# Altium PCB UmTRXv2.PcbDoc (part 25 of 25)
Units mm, origin at the board's own origin, x right, y up, seen from the top; angles counter-clockwise.
Board outline 159.5 x 99.5 mm, 6 copper layers (Top Layer, GND, MidLayer1, Mid-Layer 2, InternalPlane2, Bottom Layer), stack 1.526 mm thick; 708 components, 578 nets, 2802 pads, 1408 vias.
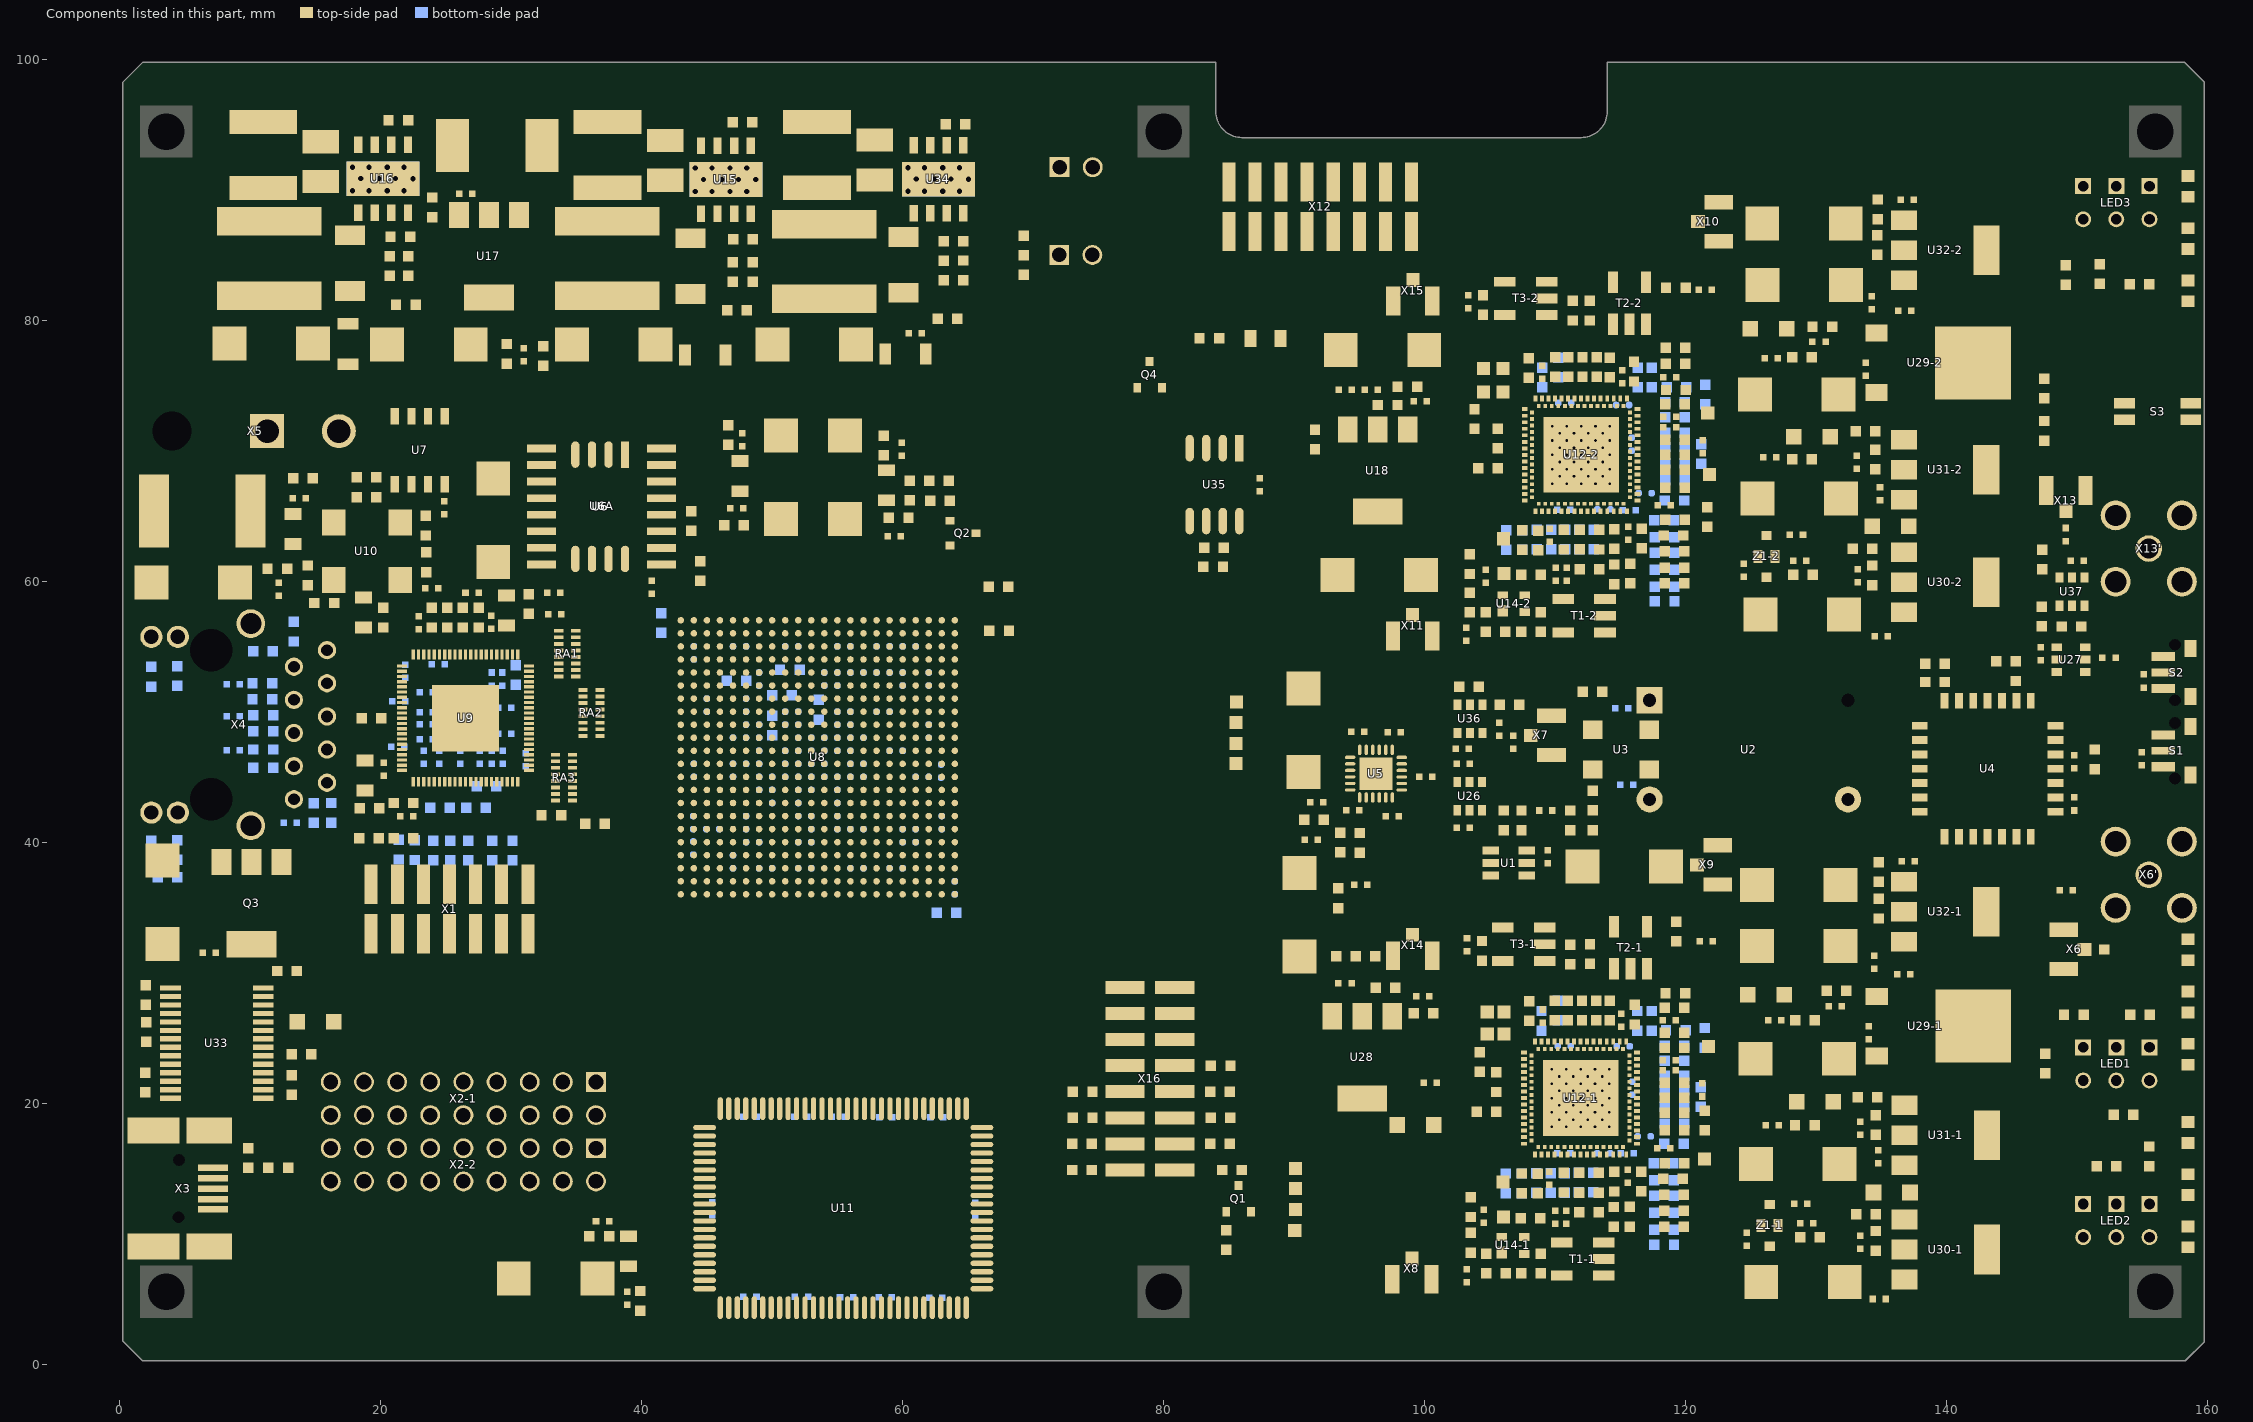
[diagram p29: the components of this part, seen from the top]

## Polygon pours and split planes (outlines as drawn) (continued)
+1,2VFPGA on InternalPlane2 (split plane): 54.399,66.887 54.399,56.713 53.943,56.257 53.919,56.226 53.904,56.189 53.899,56.15 53.899,55.3 53.904,55.261 53.919,55.224 53.943,55.193 55.949,53.187 55.949,51.913 54.993,50.957 54.969,50.926 54.954,50.889 54.949,50.85 54.949,50.2 54.954,50.161 54.969,50.124 54.993,50.093 55.143,49.943 55.174,49.919 55.211,49.904 55.25,49.899 57.637,49.899 57.849,49.687 57.849,48.363 57.637,48.151 57.35,48.151 57.311,48.146 57.274,48.131 57.243,48.107 56.893,47.757 56.869,47.726 56.854,47.689 56.849,47.65 56.849,43.813 55.837,42.801 51.738,42.801 49.951,44.588 49.951,48.587 51.263,49.899 52.85,49.899 52.889,49.904 52.926,49.919 52.957,49.943 53.257,50.243 53.281,50.274 53.296,50.311 53.301,50.35 53.301,51.287 54.107,52.093 54.131,52.124 54.146,52.161 54.151,52.2 54.151,52.85 54.146,52.889 54.135,52.915 54.131,52.926 54.107,52.957 53.319,53.744 53.288,53.769 53.252,53.784 53.213,53.789 52.475,53.789 51.301,54.963 51.301,55.7 51.296,55.739 51.281,55.776 51.257,55.807 50.957,56.107 50.926,56.131 50.911,56.137 50.889,56.146 50.85,56.151 49.863,56.151 48.351,57.663 48.351,59.5 50.507,61.656 50.531,61.687 50.546,61.723 50.551,61.763 50.551,65.075 50.546,65.114 50.531,65.151 50.507,65.182 48.207,67.482 48.176,67.506 48.161,67.512 48.139,67.521 48.1,67.526 46.338,67.526 34.807,79.057 34.776,79.081 34.739,79.096 34.7,79.101 24.501,79.101 24.501,82.687 26.663,84.849 36.437,84.849
+2,5VETH on InternalPlane2 (split plane): 31.649,53.037 31.649,43.813 27.837,40.001 20.475,40.001 20.436,39.996 20.399,39.981 20.368,39.957 17.687,37.276 5.863,37.276 4.851,38.288 4.851,42.231 9.307,46.687 9.331,46.718 9.346,46.755 9.351,46.794 9.351,51.731 9.351,58.937 10.963,60.549 24.137,60.549
GND on InternalPlane2 (split plane): 28.824,51.712 28.824,46.888 28.187,46.251 23.738,46.251 23.176,46.813 23.176,51.412 24.213,52.449 28.087,52.449
GND on InternalPlane2 (split plane): 159.548,98.166 159.548,1.784 158.216,0.452 66.651,0.452 66.651,16.7 66.646,16.739 66.637,16.761 66.631,16.776 66.607,16.807 64.407,19.007 64.376,19.031 64.361,19.037 64.339,19.046 64.3,19.051 48,19.051 47.961,19.046 47.924,19.031 47.893,19.007 46.743,17.857 46.719,17.826 46.704,17.789 46.699,17.75 46.699,15.763 36.993,6.057 36.969,6.026 36.954,5.989 36.949,5.95 36.949,0.452 1.834,0.452 0.452,1.834 0.452,98.166 1.834,99.548 83.798,99.548 83.798,96 83.806,95.808 83.831,95.618 83.873,95.43 83.931,95.247 84.004,95.069 84.093,94.899 84.196,94.737 84.313,94.585 84.443,94.443 84.585,94.313 84.737,94.196 84.899,94.093 85.069,94.004 85.247,93.931 85.43,93.873 85.618,93.831 85.808,93.806 86,93.798 112,93.798 112.192,93.806 112.382,93.831 112.57,93.873 112.753,93.931 112.931,94.004 113.101,94.093 113.263,94.196 113.415,94.313 113.557,94.443 113.687,94.585 113.804,94.737 113.907,94.899 113.996,95.069 114.069,95.247 114.127,95.43 114.169,95.618 114.194,95.808 114.202,96 114.202,99.548 158.166,99.548
+3,3VLMS-1 on InternalPlane2 (split plane): 145.749,21.901 131.806,21.901 131.767,21.896 131.73,21.881 131.699,21.857 131.516,21.674 123.569,21.674 123.569,22.496 123.563,22.535 123.548,22.572 123.524,22.603 121.518,24.61 120.673,25.454 120.642,25.478 120.605,25.493 120.566,25.499 118.422,25.499 118.383,25.493 118.347,25.478 118.315,25.454 116.775,23.914 115.932,24.757 115.901,24.781 115.886,24.787 115.864,24.796 115.825,24.801 108.65,24.801 108.611,24.796 108.574,24.781 108.543,24.757 107.643,23.857 107.619,23.826 107.604,23.789 107.599,23.75 107.599,14.814 107.579,14.806 107.548,14.782 106.818,14.052 106.794,14.021 106.779,13.985 106.774,13.945 106.774,11.17 106.779,11.131 106.788,11.11 106.794,11.094 106.818,11.063 107.513,10.368 107.544,10.344 107.581,10.329 107.62,10.324 109.657,10.324 109.696,10.329 109.733,10.344 109.764,10.368 110.753,11.357 114.957,11.357 114.996,11.363 115.033,11.378 115.064,11.402 116.832,13.17 118.436,13.17 118.475,13.175 118.512,13.19 118.543,13.214 120.328,14.999 123.822,14.999 123.822,13.73 123.819,13.726 123.804,13.689 123.799,13.65 123.804,13.611 123.819,13.574 123.822,13.57 123.822,13.394 123.822,6.051 103.845,6.051 102.981,6.915 102.981,25.717 106.786,29.522 132.196,29.522 132.235,29.527 132.271,29.542 132.303,29.566 132.736,29.999 145.749,29.999
+2,5VFPGA on InternalPlane2 (split plane): 155 vertices, not listed, extent 17.912,25.151 76.749,78.799
+2,5VRAM on InternalPlane2 (split plane): 66.349,16.637 66.349,0.452 37.251,0.452 37.251,5.887 46.957,15.593 46.981,15.624 46.996,15.661 47.001,15.7 47.001,17.687 48.063,18.749 64.237,18.749

## Keep-outs
Keep-Out Layer:
  lines w0.2: 0.25,1.75 1.75,0.25 158.3,0.25 159.75,1.7 159.75,32.3 159.75,58.3 159.75,98.25 158.25,99.75 114,99.75 114,96 cw(c112,96) 112,94 86,94 cw(c86,96) 84,96 84,99.75 1.75,99.75 0.25,98.25 0.25,1.75

## Other copper
Top Layer:
  rectangle net NetC214_2: 7.175,31.125 13.025,36.725
  rectangle net GND: 112.6,23.1 113.3,24.2
  region net +3,3VLMS-1: 146.5,29.887 138.36,29.887 138.36,22 146.5,22
  region net +1,8VDLMS-1: 146.5,21.501 138.36,21.501 138.36,13.4 146.5,13.4
  region net +1,8VALMS-1: 146.5,38.63 138.31,38.63 138.31,30.4 146.5,30.4
  region net +2,5VLMS-1: 146.5,12.755 138.36,12.755 138.36,4.7 146.5,4.7
  region net +2,5VLMS-2: 146.5,63.9 138.31,63.9 138.31,55.845 146.5,55.845
  region net +1,8VDLMS-2: 146.5,72.5 138.31,72.5 138.31,64.399 146.5,64.399
  region net +3,3VLMS-2: 146.5,80.75 138.31,80.75 138.31,72.863 146.5,72.863
  region net +1,8VALMS-2: 146.5,89.324 138.32,89.324 138.32,81.094 146.5,81.094
  rectangle net GND: 112.65,72.4 113.35,73.5
  region net GND: 67.3,99.5 5.7,99.5 5.7,96.6 67.3,96.6
  rectangle net NetC4_1: 90.7,62.956 101.15,70.2
  rectangle net +3,3VCC: 90.175,17.2 99.9,25.025
Mid-Layer 2:
  pour cut-out: 84,99.75 84,94 114,94 114,99.75
  pour cut-out: 47.138,27.775 47.138,27.5 47.863,27.5 47.863,27.775
MidLayer1:
  pour cut-out: 84,99.75 114,99.75 114,93.975 84,93.975
  pour cut-out: 44.137,26.025 44.137,25.75 44.862,25.75 44.862,26.025
  pour cut-out: 45.825,25.775 45.825,25.5 46.85,25.5 46.85,25.775
  pour cut-out: 52.013,36.675 52.013,36.4 52.738,36.4 52.738,36.675
  pour cut-out: 62.113,18.375 62.113,18.1 63.125,18.1 63.125,18.375
Bottom Layer:
  rectangle net GND: 23.724,46.758 29.25,52.25
  rectangle net GND: 109.039,66.717 114.964,72.617
  rectangle net GND: 109,17.425 114.925,23.325
InternalPlane2 (plane layer: these items are gaps in the copper):
  lines w0.3: 17.761,37.125 17.761,35.289 19.8,33.25 61.85,33.25 70.1,25 72.25,25 76.9,29.65 76.9,47.75 74.45,50.2 74.45,54.85 74.45,55.95 ; 19.8,60.7 19.8,75.7 23.05,78.95 24.35,78.95 ; 37.1,0.25 37.1,5.95 46.85,15.7 46.85,17.75 48,18.9 64.3,18.9 66.5,16.7 66.5,0.25 ; 54.6,67 60.2,72.6 65.4,72.6 66.375,71.625 66.375,64.025 74.4,56 ; 105.488,59.371 104.579,60.28 104.579,62.004 106.5,63.925 115.11,63.925 116.144,64.959 116.144,73.644 ; 105.51,59.263 107.849,59.263 109.192,59.263 110.73,60.8 114.996,60.8 116.808,62.613 118.475,62.613 120.25,64.388 120.25,66.85 121.6,66.85 123.065,66.85 124.807,65.108 124.807,64.1 132.132,64.1 132.339,63.893 133.404,63.893 ; 107.75,14.675 107.75,23.75 108.65,24.65 115.825,24.65 116.775,23.7 ; 107.85,63.975 107.85,73.175 108.319,73.644 116.144,73.644 ; 115.369,14.93 116.105,15.667 ; 119.635,29.716 119.635,36.734 121.973,39.072 132.542,39.072 145.128,39.072 145.9,38.3 145.9,30.15 ; 119.674,80.508 119.674,87.525 122.012,89.864 145.736,89.864 146.35,89.25 146.35,80.85 ; 123.95,13.65 133.8,13.65 134.45,13 145.9,13 ; 123.95,15.15 120.265,15.15 118.436,13.321 ; 123.974,15.126 123.974,13.394 ; 124.013,55.201 124.013,62.686 124.807,63.48 124.807,64.306 ; 133.469,63.85 146.1,63.85 146.35,63.85 ; 145.9,21.75 131.806,21.75 131.578,21.522 123.417,21.522 123.417,22.496 121.411,24.503 ; 24.35,78.95 34.7,78.95 46.275,67.375 48.1,67.375 50.4,65.075 50.4,61.763 48.2,59.563 48.2,57.6 49.8,56 50.85,56 51.15,55.7 51.15,54.9 52.413,53.637 53.213,53.637 54,52.85 54,52.2 53.15,51.35 53.15,50.35 52.85,50.05 51.2,50.05 49.8,48.65 49.8,44.525 51.675,42.65 55.9,42.65 57,43.75 57,47.65 ; 24.35,78.95 24.35,82.75 26.6,85 36.5,85 54.55,66.95 54.55,56.65 54.05,56.15 54.05,55.3 56.1,53.25 56.1,51.85 55.1,50.85 55.1,50.2 55.25,50.05 56.7,50.05 57.7,50.05 58,49.75 58,48.3 57.7,48 57.35,48 57,47.65 ; 57,47.65 57,47.65 ; 102.829,6.853 103.782,5.9 ; 102.829,6.853 102.829,25.779 106.723,29.673 131.806,29.673 ; 102.829,6.853 103.782,5.9 ; 103.782,5.9 115.585,5.9 ; 103.782,5.9 115.585,5.9 ; 110.691,11.509 114.957,11.509 ; 110.691,11.509 114.957,11.509 ; 110.691,11.509 109.657,10.475 107.62,10.475 106.925,11.17 106.925,13.945 107.655,14.675 115.113,14.675 116.105,15.667 ; 114.957,11.509 116.769,13.321 ; 114.957,11.509 116.769,13.321 ; 115.585,5.9 132.261,5.9 ; 115.585,5.9 132.261,5.9 ; 116.105,15.667 116.105,23.03 ; 116.105,15.667 116.105,23.03 ; 116.105,23.03 118.422,25.347 ; 116.105,23.03 118.422,25.347 ; 116.144,73.644 117.139,74.639 120.605,74.639 121.3,73.944 121.3,72.55 121.137,72.387 120.389,72.387 120.129,72.127 120.129,70.921 120.487,70.563 123.463,70.563 125.214,72.314 133.464,72.314 138.114,72.314 138.35,72.55 146.35,72.55 ; 116.769,13.321 118.436,13.321 ; 116.769,13.321 118.436,13.321 ; 118.422,25.347 120.566,25.347 ; 118.422,25.347 120.566,25.347 ; 120.566,25.347 121.411,24.503 ; 120.566,25.347 121.411,24.503 ; 123.974,13.394 123.974,5.91 123.974,13.394 ; 131.806,29.673 132.196,29.673 ; 131.806,29.673 132.196,29.673 ; 132.196,29.673 132.673,30.15 145.9,30.15 ; 132.261,5.9 133.761,4.4 145.15,4.4 145.9,5.15 145.9,30.15 ; 146.35,63.85 146.35,56.25 145.291,55.191 133.469,55.191 115.624,55.191 103.821,55.191 102.868,56.144 102.868,72.755 110.578,80.465 131.845,80.465 136.065,80.465 136.45,80.85 146.35,80.85 ; 146.35,63.85 146.35,72.55 ; 146.35,72.55 146.35,80.85 ; 4.7,38.225 5.8,37.125 17.75,37.125 20.475,39.85 21.425,39.85 27.9,39.85 31.8,43.75 31.8,53.1 24.2,60.7 19.95,60.7 15.3,60.7 10.9,60.7 9.2,59 9.2,51.731 9.2,46.794 4.7,42.294 4.7,38.225 ; 23.025,46.75 23.025,51.475 24.15,52.6 28.15,52.6 28.975,51.775 28.975,46.825 28.25,46.1 23.675,46.1 23.025,46.75
  lines w0.5: 3.6,62.9 3.6,67.975 6.85,71.225 6.85,74.425 8.1,75.675 8.1,94.2 10.6,96.7 60.5,96.7 61.175,96.025 61.175,93.4 60.575,92.8 14.475,92.8 10.825,89.15 10.825,74.1 9.6,72.875 9.6,62.4 8.9,61.7 4.8,61.7 3.6,62.9

## Silkscreen, mask and mechanical layers (free items; w line width, h text height)
Top Overlay:
  text "FAN2" at 73,95.15 h1
  text "H" at 156.55,89.7 h1
  text "AUX RF" at 104.55,88.325 h1
  text "RX2" at 116.525,86.6 h1
  text "I" at 156.8,85.1 h1
  text "G" at 156.575,81.675 h1
  text "1.8v" at 143.45,81.4 h1
  text "SCN2" at 92.5,80.725 h1
  text "+2.5v" at 15.625,80.35 h1
  text "+6v" at 57.625,79.5 h1
  text "+1.2v" at 28.425,78.95 h1
  text "+3.3v" at 42.645,78.828 h1
  text "FAN1" at 71.075,78.825 h1
  text "^ SLAVE" at 152.525,78.05 h1
  text "v MASTR" at 152.55,76.45 h1
  text "3.3v" at 146.822,75.47 h1 r90
  text "+8Vmin/+28Vmax" at 4.675,75.05 h1 r90
  text "PPS" at 149.625,73.25 h1
  text "+" at 12.675,72.225 h2
  text "-" at 14.85,72.225 h2
  text "MHZ" at 149.6,71.85 h1
  text "1.85A" at 12.975,68.925 h1
  text "PPS" at 152.125,67.025 h1
  text "1.8v" at 143.55,64.6 h1
  text "+5v" at 91.25,63.825 h1
  text "2.5v" at 143.5,63.175 h1
  text "RST" at 155.775,56.2 h1
  text "TX2" at 97.625,51.375 h1
  text "MISO2" at 79.5,50.125 h1
  text "SCLK2" at 79.35,48.5 h1
  text "MOSI2" at 79.425,47.15 h1
  text "SEN2" at 79.85,45.625 h1
  text "26MHZ" at 106.125,43.725 h1
  text "SAFE" at 154.875,42.675 h1
  text "RX1" at 126.775,39.175 h1
  text "SCN1" at 97.875,34.5 h1
  text "EXT PANEL" at 75.475,34.325 h1
  text "5<>3" at 93.045,32.38 h1
  text "Fairwaves" at 43.95,31.55 h2
  text "A" at 156.525,31.175 h1
  text "1.8v" at 143.425,30.7 h1
  text "JTAG ONLY" at 24.295,29.678 h1
  text "GPS-ANT" at 150.075,28.875 h1
  text "UmTRX v2" at 43.876,28.308 h1.75
  text "C" at 156.5,27.15 h1
  text ".Print_Date" at 43.775,25.482 h1.5
  text "3.3v" at 147,25.125 h1 r90
  text "DEBUG" at 23.967,24.056 h1
  text "E" at 156.5,23.275 h1
  text "Gnd" at 15.3,23.25 h1
  text "D0" at 18.625,23.25 h1
  text "CC-BY-SA 3.0" at 43.75,22.275 h1.75
  text "D7" at 38.55,21.15 h1
  text "clkN" at 10.75,18.625 h1
  text "D15" at 38.55,18.575 h1
  text "+3.3v" at 91.245,17.503 h1
  text "B" at 156.725,17.125 h1
  text "clkP" at 10.75,16.375 h1
  text "D23" at 38.55,16 h1
  text "MISO1" at 91.15,14.5 h1
  text "1.8v" at 143.675,13.6 h1
  text "D31" at 38.55,13.5 h1
  text "SCLK1" at 91.05,12.9 h1
  text "D" at 156.75,12.425 h1
  text "MOSI1" at 91.15,11.4 h1
  text "Gnd" at 14.475,11.35 h1
  text "D24" at 17.825,11.3 h1
  text "SEN1" at 91.125,9.85 h1
  text "F" at 156.75,8.925 h1
  text "USB DEBUG" at 7.25,5.925 h1
  text "TX1" at 93.825,5.775 h1
  text "2.5v" at 143.575,4.9 h1
Top Solder:
  circle w0.254: c81.475,46.075 r0.15
  circle w0.254: c87.5,48.075 r0.1
  circle w0.254: c75.35,37.45 r0.15
  circle w0.254: c80.2,42.8 r0.15
  circle w0.254: c79.4,42.85 r0.15
  circle w0.254: c78.65,42.95 r0.15
  circle w0.254: c80.75,49 r0.15
  circle w0.254: c78.15,50.7 r0.15
  circle w0.254: c77.25,50.5 r0.15
  circle w0.254: c76.45,50.7 r0.15
  circle w0.254: c75.6,51.75 r0.15
  circle w0.254: c73.75,52.6 r0.1
  circle w0.254: c73.192,52.608 r0.1
  circle w0.254: c72.6,52.65 r0.1
  circle w0.254: c71.95,52.5 r0.15
  circle w0.254: c70.3,53.35 r0.1
  circle w0.254: c70.15,53.95 r0.1
  circle w0.254: c69.85,54.5 r0.1
  circle w0.254: c69.35,54.95 r0.15
  circle w0.254: c65.4,56.7 r0.15
  circle w0.254: c70.35,57.875 r0.15
  circle w0.5: c88.6,12.7 r0.3
  circle w0.254: c38.6,49.5 r0.1
  circle w0.254: c39.2,47.95 r0.1
  circle w0.254: c40.2,49.15 r0.1
  circle w0.254: c39,44.55 r0.1
  circle w0.5: c87.775,50.05 r0.3
  region: 84,96.975 84,99.2 67.55,99.2 67.55,96.975
  region: 5.525,97 5.525,99.225 0.1,99.225 0.1,97
  region: 5.85,97.55 5.85,96.55 67.275,96.55 67.275,97.55
  region: 159.875,97 159.875,99.95 114,99.95 114,97
  rectangle: 101.7,84 123.75,85
  region: 67.3,97.55 66.3,97.55 66.3,74.8 67.3,74.8
  region: 67.3,74.8 67.3,75.8 5.9,75.8 5.9,74.8
  rectangle: 101.65,4.7 102.65,35.7
  rectangle: 122.75,54.55 123.75,84.925
  rectangle: 122.675,5.05 123.725,35.55
  rectangle: 102.05,4.65 123.725,5.75
  rectangle: 101.65,34.675 123.725,35.725
  rectangle: 101.65,53.95 123.75,55
  region: 6.775,97.55 5.775,97.55 5.775,74.775 6.775,74.775
  region: 84,97.775 84,99.95 0.1,99.95 0.1,97.775
  rectangle: 101.65,53.95 102.65,84.975
  region: 0.125,2.988 0.125,0.05 159.875,0.05 159.875,2.988
Bottom Solder:
  region: 159.875,96.75 159.875,99.95 114,99.95 114,96.75
  rectangle: 7.225,88.3 67.3,93.1
  region: 0.125,3.05 0.125,0.05 159.875,0.05 159.875,3.05
  region: 83.95,96.775 83.95,99.95 0.125,99.95 0.125,96.775
  text "Fairwaves" at 18.5,85.775 h2
  text "UmTRX v2" at 17.25,82.875 h1.75
  text ".Print_Date" at 16.55,79.925 h1.5
  text "CC-BY-SA 3.0" at 21.4,75.45 h1.75
Mechanical 1:
  lines w0.254: -1.925,2.975 161.125,3 ; -0.925,97 163.55,97
  text "+8Vmin/+28Vmax" at 4.675,75.05 h1 r90
  text "U9" at 21.375,54.675 h0.5
  text "Fairwaves" at 43.95,31.55 h2
  text "UmTRX v2" at 43.876,28.308 h1.75
  text ".Print_Date" at 43.775,25.482 h1.5
  text "CC-BY-SA 3.0" at 43.75,22.275 h1.75
Mechanical 2:
  text "Fairwaves" at 18.5,85.775 h2
  text "UmTRX v2" at 17.25,82.875 h1.75
  text ".Print_Date" at 16.55,79.925 h1.5
  text "CC-BY-SA 3.0" at 21.4,75.45 h1.75

## Text inside footprints (layer, text, board x,y; h text height)
LED1: Mechanical 1 "A" at 148.675,21.55 h1.22 r270; Mechanical 1 "K" at 148.575,24.675 h1.22 r270
LED2: Mechanical 1 "A" at 148.675,9.5 h1.22 r270; Mechanical 1 "K" at 148.55,12.8 h1.22 r270
LED3: Mechanical 1 "A" at 148.55,88.075 h1.22 r270; Mechanical 1 "K" at 148.55,90.575 h1.22 r270
X1: Mechanical 1 "1" at 17.675,33.475 h0.5; Mechanical 1 "2" at 17.625,35.575 h0.5
X3: Mechanical 1 "PCB Edge" at -0.5,15.75 h0.25 r270
X12: Mechanical 1 "2" at 83.35,89.4 h0.5; Mechanical 1 "1" at 83.4,87.3 h0.5
X16: Mechanical 1 "2" at 78.25,13.225 h0.5 r90; Mechanical 1 "1" at 80.35,13.275 h0.5 r90